# KiCad board Greenwood18N2.kicad_pcb
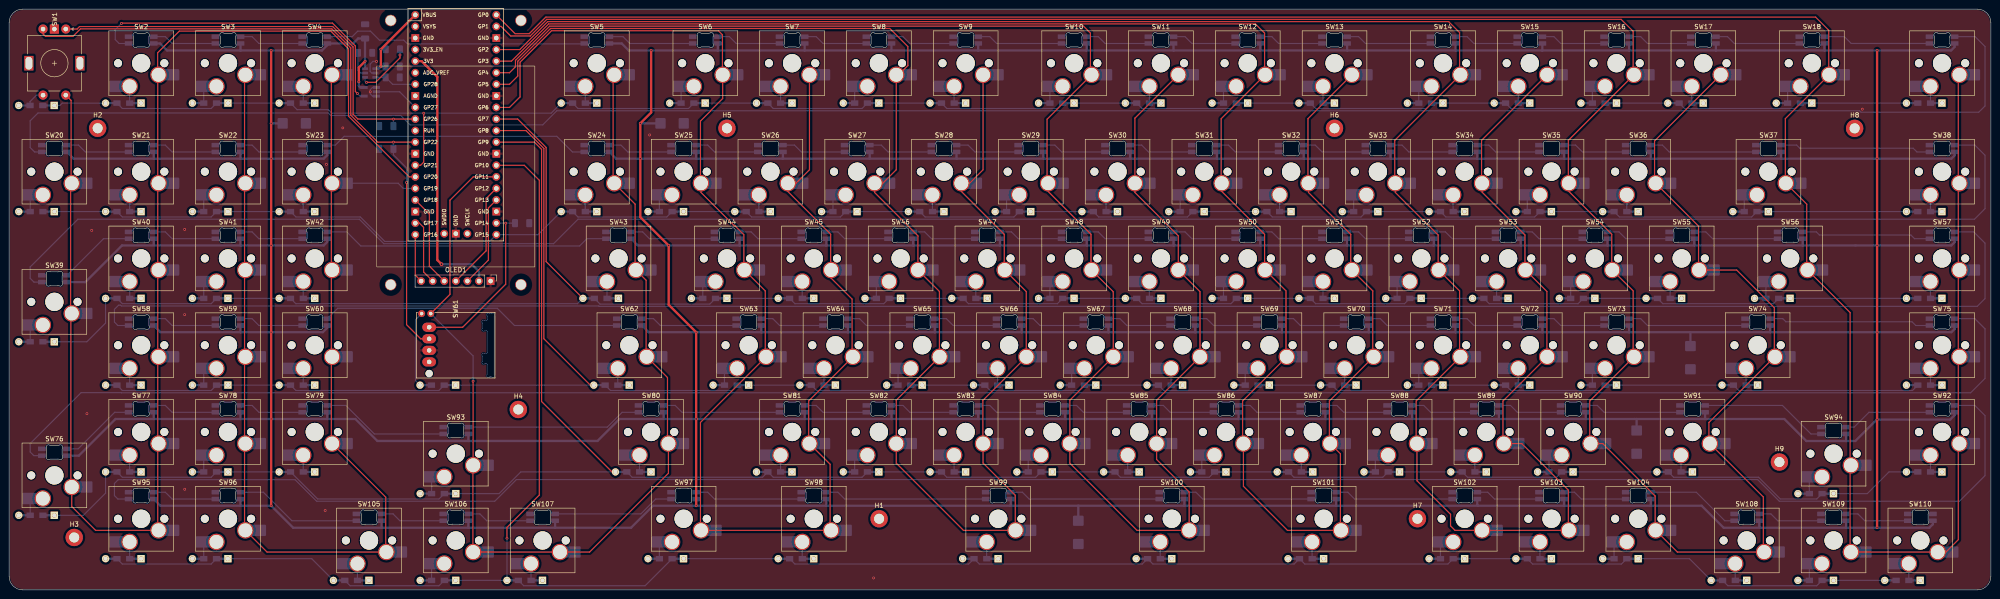
[diagram p0: board, top side]
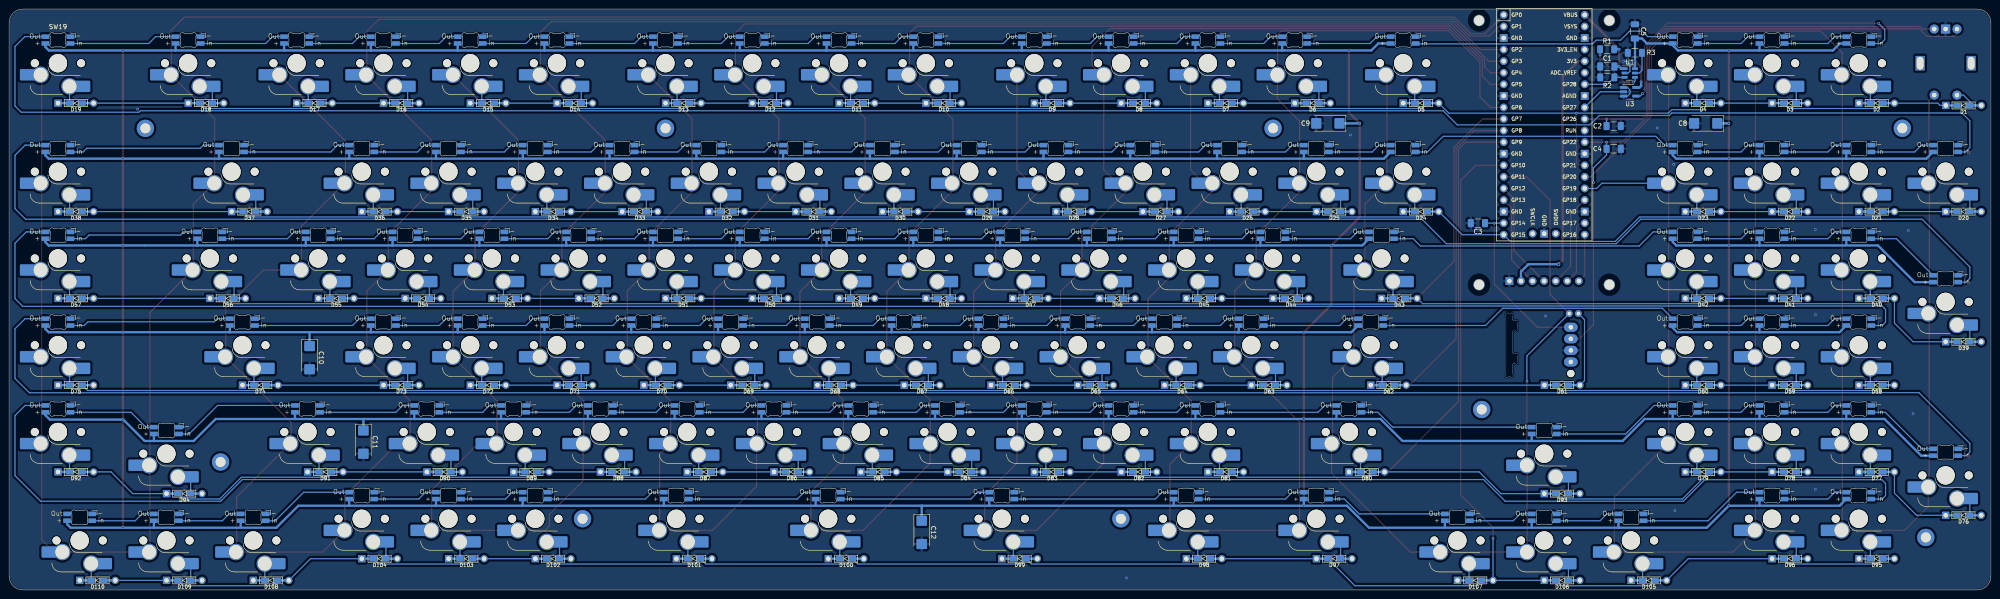
[diagram p1: board, bottom side, seen from below]

Outline 435 x 127.5 mm; copper layers: Top, Bottom. Coordinates in mm from the lower left corner of the outline.
Outline path: 0,124.5 arc(0.88,126.62) 3,127.5 432,127.5 arc(434.12,126.62) 435,124.5 435,3 arc(434.12,0.88) 432,0 3,0 arc(0.88,0.88) 0,3 0,124.5
Stack: Top 0.035mm / dielectric 1.51mm FR4 er 4.5 / Bottom 0.035mm

## Placement (name value [footprint] x y rotation side)
C1  100nF  [C_1206_3216Metric_Pad1.33x1.80mm_HandSolder]  84.2 114.9 180 bottom
C2  100nF  [C_1206_3216Metric_Pad1.33x1.80mm_HandSolder]  82.8 101.83 180 bottom
C3  100nF  [C_1206_3216Metric_Pad1.33x1.80mm_HandSolder]  112.6 80.51 0 bottom
C4  100nF  [C_1206_3216Metric_Pad1.33x1.80mm_HandSolder]  82.8 96.82 180 bottom
C5  100nF  [C_1206_3216Metric_Pad1.33x1.80mm_HandSolder]  78.14 122.61 270 bottom
C8  100uF  [CP_EIA-6032-15_Kemet-U_Pad2.25x2.35mm_HandSolder]  62.6 102.42 0 bottom
C9  100uF  [CP_EIA-6032-15_Kemet-U_Pad2.25x2.35mm_HandSolder]  145.53 102.42 0 bottom
C10  100uF  [CP_EIA-6032-15_Kemet-U_Pad2.25x2.35mm_HandSolder]  369.05 50.98 270 bottom
C11  100uF  [CP_EIA-6032-15_Kemet-U_Pad2.25x2.35mm_HandSolder]  357.24 32.44 270 bottom
C12  100uF  [CP_EIA-6032-15_Kemet-U_Pad2.25x2.35mm_HandSolder]  234.68 12.63 270 bottom
D1  Diode  [Diode-Hybrid-Back]  6 106.35 0 top
D2  Diode  [Diode-Hybrid-Back]  25.07 106.86 0 top
D3  Diode  [Diode-Hybrid-Back]  44.12 106.86 0 top
D4  Diode  [Diode-Hybrid-Back]  63.17 106.86 0 top
D5  Diode  [Diode-Hybrid-Back]  125.09 106.86 0 top
D6  Diode  [Diode-Hybrid-Back]  148.9 106.86 0 top
D7  Diode  [Diode-Hybrid-Back]  167.95 106.86 0 top
D8  Diode  [Diode-Hybrid-Back]  187 106.86 0 top
D9  Diode  [Diode-Hybrid-Back]  206.05 106.86 0 top
D10  Diode  [Diode-Hybrid-Back]  229.86 106.86 0 top
D11  Diode  [Diode-Hybrid-Back]  248.91 106.86 0 top
D12  Diode  [Diode-Hybrid-Back]  267.96 106.86 0 top
D13  Diode  [Diode-Hybrid-Back]  287.01 106.86 0 top
D14  Diode  [Diode-Hybrid-Back]  310.82 106.86 0 top
D15  Diode  [Diode-Hybrid-Back]  329.87 106.86 0 top
D16  Diode  [Diode-Hybrid-Back]  348.92 106.86 0 top
D17  Diode  [Diode-Hybrid-Back]  367.97 106.86 0 top
D18  Diode  [Diode-Hybrid-Back]  391.79 106.86 0 top
D19  Diode  [Diode-Hybrid-Back]  420.36 106.86 0 top
D20  Diode  [Diode-Hybrid-Back]  6.02 83.05 0 top
D21  Diode  [Diode-Hybrid-Back]  25.07 83.05 0 top
D22  Diode  [Diode-Hybrid-Back]  44.12 83.05 0 top
D23  Diode  [Diode-Hybrid-Back]  63.17 83.05 0 top
D24  Diode  [Diode-Hybrid-Back]  125.09 83.05 0 top
D25  Diode  [Diode-Hybrid-Back]  144.13 83.05 0 top
D26  Diode  [Diode-Hybrid-Back]  163.19 83.05 0 top
D27  Diode  [Diode-Hybrid-Back]  182.24 83.05 0 top
D28  Diode  [Diode-Hybrid-Back]  201.29 83.05 0 top
D29  Diode  [Diode-Hybrid-Back]  220.33 83.05 0 top
D30  Diode  [Diode-Hybrid-Back]  239.38 83.05 0 top
D31  Diode  [Diode-Hybrid-Back]  258.44 83.05 0 top
D32  Diode  [Diode-Hybrid-Back]  277.49 83.05 0 top
D33  Diode  [Diode-Hybrid-Back]  296.54 83.05 0 top
D34  Diode  [Diode-Hybrid-Back]  315.58 83.05 0 top
D35  Diode  [Diode-Hybrid-Back]  334.63 83.05 0 top
D36  Diode  [Diode-Hybrid-Back]  353.69 83.05 0 top
D37  Diode  [Diode-Hybrid-Back]  382.26 83.05 0 top
D38  Diode  [Diode-Hybrid-Back]  420.36 83.05 0 top
D39  Diode  [Diode-Hybrid-Back]  6.02 54.47 0 top
D40  Diode  [Diode-Hybrid-Back]  25.07 64 0 top
D41  Diode  [Diode-Hybrid-Back]  44.12 64 0 top
D42  Diode  [Diode-Hybrid-Back]  63.17 64 0 top
D43  Diode  [Diode-Hybrid-Back]  129.85 64 0 top
D44  Diode  [Diode-Hybrid-Back]  153.66 64 0 top
D45  Diode  [Diode-Hybrid-Back]  172.71 64 0 top
D46  Diode  [Diode-Hybrid-Back]  191.76 64 0 top
D47  Diode  [Diode-Hybrid-Back]  210.81 64 0 top
D48  Diode  [Diode-Hybrid-Back]  229.86 64 0 top
D49  Diode  [Diode-Hybrid-Back]  248.91 64 0 top
D50  Diode  [Diode-Hybrid-Back]  267.96 64 0 top
D51  Diode  [Diode-Hybrid-Back]  287.01 64 0 top
D52  Diode  [Diode-Hybrid-Back]  306.06 64 0 top
D53  Diode  [Diode-Hybrid-Back]  325.11 64 0 top
D54  Diode  [Diode-Hybrid-Back]  344.16 64 0 top
D55  Diode  [Diode-Hybrid-Back]  363.21 64 0 top
D56  Diode  [Diode-Hybrid-Back]  387.02 64 0 top
D57  Diode  [Diode-Hybrid-Back]  420.36 64 0 top
D58  Diode  [Diode-Hybrid-Back]  25.07 44.95 0 top
D59  Diode  [Diode-Hybrid-Back]  44.12 44.95 0 top
D60  Diode  [Diode-Hybrid-Back]  63.17 44.95 0 top
D61  Diode  [Diode-Hybrid-Back]  94.1 44.95 0 top
D62  Diode  [Diode-Hybrid-Back]  132.23 44.95 0 top
D63  Diode  [Diode-Hybrid-Back]  158.42 44.95 0 top
D64  Diode  [Diode-Hybrid-Back]  177.47 44.95 0 top
D65  Diode  [Diode-Hybrid-Back]  196.52 44.95 0 top
D66  Diode  [Diode-Hybrid-Back]  215.57 44.95 0 top
D67  Diode  [Diode-Hybrid-Back]  234.62 44.95 0 top
D68  Diode  [Diode-Hybrid-Back]  253.67 44.95 0 top
D69  Diode  [Diode-Hybrid-Back]  272.72 44.95 0 top
D70  Diode  [Diode-Hybrid-Back]  291.77 44.95 0 top
D71  Diode  [Diode-Hybrid-Back]  310.82 44.95 0 top
D72  Diode  [Diode-Hybrid-Back]  329.87 44.95 0 top
D73  Diode  [Diode-Hybrid-Back]  348.92 44.95 0 top
D74  Diode  [Diode-Hybrid-Back]  379.88 44.95 0 top
D75  Diode  [Diode-Hybrid-Back]  420.36 44.95 0 top
D76  Diode  [Diode-Hybrid-Back]  6.02 16.37 0 top
D77  Diode  [Diode-Hybrid-Back]  25.07 25.9 0 top
D78  Diode  [Diode-Hybrid-Back]  44.12 25.9 0 top
D79  Diode  [Diode-Hybrid-Back]  63.17 25.9 0 top
D80  Diode  [Diode-Hybrid-Back]  136.99 25.9 0 top
D81  Diode  [Diode-Hybrid-Back]  167.95 25.9 0 top
D82  Diode  [Diode-Hybrid-Back]  187 25.9 0 top
D83  Diode  [Diode-Hybrid-Back]  206.05 25.9 0 top
D84  Diode  [Diode-Hybrid-Back]  225.1 25.9 0 top
D85  Diode  [Diode-Hybrid-Back]  244.15 25.9 0 top
D86  Diode  [Diode-Hybrid-Back]  263.2 25.9 0 top
D87  Diode  [Diode-Hybrid-Back]  282.25 25.9 0 top
D88  Diode  [Diode-Hybrid-Back]  301.3 25.9 0 top
D89  Diode  [Diode-Hybrid-Back]  320.35 25.9 0 top
D90  Diode  [Diode-Hybrid-Back]  339.4 25.9 0 top
D91  Diode  [Diode-Hybrid-Back]  365.59 25.9 0 top
D92  Diode  [Diode-Hybrid-Back]  420.36 25.9 0 top
D93  Diode  [Diode-Hybrid-Back]  94.13 21.14 0 top
D94  Diode  [Diode-Hybrid-Back]  396.55 21.14 0 top
D95  Diode  [Diode-Hybrid-Back]  25.07 6.85 0 top
D96  Diode  [Diode-Hybrid-Back]  44.12 6.85 0 top
D97  Diode  [Diode-Hybrid-Back]  144.13 6.85 0 top
D98  Diode  [Diode-Hybrid-Back]  172.71 6.85 0 top
D99  Diode  [Diode-Hybrid-Back]  213.19 6.85 0 top
D100  Diode  [Diode-Hybrid-Back]  251.29 6.85 0 top
D101  Diode  [Diode-Hybrid-Back]  284.63 6.85 0 top
D102  Diode  [Diode-Hybrid-Back]  315.58 6.85 0 top
D103  Diode  [Diode-Hybrid-Back]  334.63 6.85 0 top
D104  Diode  [Diode-Hybrid-Back]  353.69 6.85 0 top
D105  Diode  [Diode-Hybrid-Back]  75.08 2.09 0 top
D106  Diode  [Diode-Hybrid-Back]  94.13 2.09 0 top
D107  Diode  [Diode-Hybrid-Back]  113.18 2.09 0 top
D108  Diode  [Diode-Hybrid-Back]  377.5 2.09 0 top
D109  Diode  [Diode-Hybrid-Back]  396.55 2.09 0 top
D110  Diode  [Diode-Hybrid-Back]  415.6 2.09 0 top
H1  MountingHole  [MountingHole_2.2mm_M2_DIN965_Pad]  190.97 15.61 0 top
H2  MountingHole  [MountingHole_2.2mm_M2_DIN965_Pad]  19.44 101.34 0 top
H3  MountingHole  [MountingHole_2.2mm_M2_DIN965_Pad]  14.29 11.51 0 top
H4  MountingHole  [MountingHole_2.2mm_M2_DIN965_Pad]  111.77 39.6 0 top
H5  MountingHole  [MountingHole_2.2mm_M2_DIN965_Pad]  157.57 101.34 0 top
H6  MountingHole  [MountingHole_2.2mm_M2_DIN965_Pad]  290.92 101.34 0 top
H7  MountingHole  [MountingHole_2.2mm_M2_DIN965_Pad]  309.13 15.63 0 top
H8  MountingHole  [MountingHole_2.2mm_M2_DIN965_Pad]  405.09 101.32 0 top
H9  MountingHole  [MountingHole_2.2mm_M2_DIN965_Pad]  388.58 28.07 0 top
OLED1  -  [OLED_ST7735_2inch]  98.05 96 0 top
R1  5.1k  [R_1206_3216Metric_Pad1.30x1.75mm_HandSolder]  84.24 118.68 180 bottom
R2  5.1k  [R_1206_3216Metric_Pad1.30x1.75mm_HandSolder]  84.2 112.52 180 bottom
R3  75k  [R_1206_3216Metric_Pad1.30x1.75mm_HandSolder]  78.14 117.9 0 bottom
SW1  RotaryEncoder_Switch  [RotaryEncoder_Alps_EC11E-Switch_Vertical_H20mm_Centred]  9.94 115.62 270 top
SW2  Switch w/LED  [Hotswap_MX_Plated_LED_1u]  28.99 115.62 0 top
SW3  Switch w/LED  [Hotswap_MX_Plated_LED_1u]  48.04 115.62 0 top
SW4  Switch w/LED  [Hotswap_MX_Plated_LED_1u]  67.09 115.62 0 top
SW5  Switch w/LED  [Hotswap_MX_Plated_LED_1u]  129 115.62 0 top
SW6  Switch w/LED  [Hotswap_MX_Plated_LED_1u]  152.82 115.62 0 top
SW7  Switch w/LED  [Hotswap_MX_Plated_LED_1u]  171.87 115.62 0 top
SW8  Switch w/LED  [Hotswap_MX_Plated_LED_1u]  190.92 115.62 0 top
SW9  Switch w/LED  [Hotswap_MX_Plated_LED_1u]  209.97 115.62 0 top
SW10  Switch w/LED  [Hotswap_MX_Plated_LED_1u]  233.78 115.62 0 top
SW11  Switch w/LED  [Hotswap_MX_Plated_LED_1u]  252.83 115.62 0 top
SW12  Switch w/LED  [Hotswap_MX_Plated_LED_1u]  271.88 115.62 0 top
SW13  Switch w/LED  [Hotswap_MX_Plated_LED_1u]  290.93 115.62 0 top
SW14  Switch w/LED  [Hotswap_MX_Plated_LED_1u]  314.74 115.62 0 top
SW15  Switch w/LED  [Hotswap_MX_Plated_LED_1u]  333.79 115.62 0 top
SW16  Switch w/LED  [Hotswap_MX_Plated_LED_1u]  352.84 115.62 0 top
SW17  Switch w/LED  [Hotswap_MX_Plated_LED_1u]  371.89 115.62 0 top
SW18  Switch w/LED  [Hotswap_MX_Plated_LED_1u]  395.7 115.62 0 top
SW19  Switch w/LED  [Hotswap_MX_Plated_LED_1u]  424.28 115.62 0 top
SW20  Switch w/LED  [Hotswap_MX_Plated_LED_1u]  9.94 91.81 0 top
SW21  Switch w/LED  [Hotswap_MX_Plated_LED_1u]  28.99 91.81 0 top
SW22  Switch w/LED  [Hotswap_MX_Plated_LED_1u]  48.04 91.81 0 top
SW23  Switch w/LED  [Hotswap_MX_Plated_LED_1u]  67.09 91.81 0 top
SW24  Switch w/LED  [Hotswap_MX_Plated_LED_1u]  129 91.81 0 top
SW25  Switch w/LED  [Hotswap_MX_Plated_LED_1u]  148.06 91.81 0 top
SW26  Switch w/LED  [Hotswap_MX_Plated_LED_1u]  167.1 91.81 0 top
SW27  Switch w/LED  [Hotswap_MX_Plated_LED_1u]  186.15 91.81 0 top
SW28  Switch w/LED  [Hotswap_MX_Plated_LED_1u]  205.2 91.81 0 top
SW29  Switch w/LED  [Hotswap_MX_Plated_LED_1u]  224.25 91.81 0 top
SW30  Switch w/LED  [Hotswap_MX_Plated_LED_1u]  243.31 91.81 0 top
SW31  Switch w/LED  [Hotswap_MX_Plated_LED_1u]  262.36 91.81 0 top
SW32  Switch w/LED  [Hotswap_MX_Plated_LED_1u]  281.4 91.81 0 top
SW33  Switch w/LED  [Hotswap_MX_Plated_LED_1u]  300.45 91.81 0 top
SW34  Switch w/LED  [Hotswap_MX_Plated_LED_1u]  319.5 91.81 0 top
SW35  Switch w/LED  [Hotswap_MX_Plated_LED_1u]  338.56 91.81 0 top
SW36  Switch w/LED  [Hotswap_MX_Plated_LED_1u]  357.61 91.81 0 top
SW37  Switch w/LED  [Hotswap_MX_Plated_LED_2u]  386.18 91.81 0 top
SW38  Switch w/LED  [Hotswap_MX_Plated_LED_1u]  424.28 91.81 0 top
SW39  Switch w/LED  [Hotswap_MX_Plated_LED_2u_90deg]  9.94 63.24 0 top
SW40  Switch w/LED  [Hotswap_MX_Plated_LED_1u]  28.99 72.76 0 top
SW41  Switch w/LED  [Hotswap_MX_Plated_LED_1u]  48.04 72.76 0 top
SW42  Switch w/LED  [Hotswap_MX_Plated_LED_1u]  67.09 72.76 0 top
SW43  Switch w/LED  [Hotswap_MX_Plated_LED_1.5u]  133.77 72.76 0 top
SW44  Switch w/LED  [Hotswap_MX_Plated_LED_1u]  157.58 72.76 0 top
SW45  Switch w/LED  [Hotswap_MX_Plated_LED_1u]  176.63 72.76 0 top
SW46  Switch w/LED  [Hotswap_MX_Plated_LED_1u]  195.68 72.76 0 top
SW47  Switch w/LED  [Hotswap_MX_Plated_LED_1u]  214.73 72.76 0 top
SW48  Switch w/LED  [Hotswap_MX_Plated_LED_1u]  233.78 72.76 0 top
SW49  Switch w/LED  [Hotswap_MX_Plated_LED_1u]  252.83 72.76 0 top
SW50  Switch w/LED  [Hotswap_MX_Plated_LED_1u]  271.88 72.76 0 top
SW51  Switch w/LED  [Hotswap_MX_Plated_LED_1u]  290.93 72.76 0 top
SW52  Switch w/LED  [Hotswap_MX_Plated_LED_1u]  309.98 72.76 0 top
SW53  Switch w/LED  [Hotswap_MX_Plated_LED_1u]  329.03 72.76 0 top
SW54  Switch w/LED  [Hotswap_MX_Plated_LED_1u]  348.08 72.76 0 top
SW55  Switch w/LED  [Hotswap_MX_Plated_LED_1u]  367.13 72.76 0 top
SW56  Switch w/LED  [Hotswap_MX_Plated_LED_1.5u]  390.94 72.76 0 top
SW57  Switch w/LED  [Hotswap_MX_Plated_LED_1u]  424.28 72.76 0 top
SW58  Switch w/LED  [Hotswap_MX_Plated_LED_1u]  28.99 53.71 0 top
SW59  Switch w/LED  [Hotswap_MX_Plated_LED_1u]  48.04 53.71 0 top
SW60  Switch w/LED  [Hotswap_MX_Plated_LED_1u]  67.09 53.71 0 top
SW61  RotaryEncoder_Switch  [EVQWGD001]  98.05 53.71 90 top
SW62  Switch w/LED  [Hotswap_MX_Plated_LED_1.75u]  136.15 53.71 0 top
SW63  Switch w/LED  [Hotswap_MX_Plated_LED_1u]  162.34 53.71 0 top
SW64  Switch w/LED  [Hotswap_MX_Plated_LED_1u]  181.39 53.71 0 top
SW65  Switch w/LED  [Hotswap_MX_Plated_LED_1u]  200.44 53.71 0 top
SW66  Switch w/LED  [Hotswap_MX_Plated_LED_1u]  219.49 53.71 0 top
SW67  Switch w/LED  [Hotswap_MX_Plated_LED_1u]  238.54 53.71 0 top
SW68  Switch w/LED  [Hotswap_MX_Plated_LED_1u]  257.59 53.71 0 top
SW69  Switch w/LED  [Hotswap_MX_Plated_LED_1u]  276.64 53.71 0 top
SW70  Switch w/LED  [Hotswap_MX_Plated_LED_1u]  295.69 53.71 0 top
SW71  Switch w/LED  [Hotswap_MX_Plated_LED_1u]  314.74 53.71 0 top
SW72  Switch w/LED  [Hotswap_MX_Plated_LED_1u]  333.79 53.71 0 top
SW73  Switch w/LED  [Hotswap_MX_Plated_LED_1u]  352.84 53.71 0 top
SW74  Switch w/LED  [Hotswap_MX_Plated_LED_2.25u]  383.8 53.71 0 top
SW75  Switch w/LED  [Hotswap_MX_Plated_LED_1u]  424.28 53.71 0 top
SW76  Switch w/LED  [Hotswap_MX_Plated_LED_2u_90deg]  9.94 25.14 0 top
SW77  Switch w/LED  [Hotswap_MX_Plated_LED_1u]  28.99 34.66 0 top
SW78  Switch w/LED  [Hotswap_MX_Plated_LED_1u]  48.04 34.66 0 top
SW79  Switch w/LED  [Hotswap_MX_Plated_LED_1u]  67.09 34.66 0 top
SW80  Switch w/LED  [Hotswap_MX_Plated_LED_2.25u]  140.91 34.66 0 top
SW81  Switch w/LED  [Hotswap_MX_Plated_LED_1u]  171.87 34.66 0 top
SW82  Switch w/LED  [Hotswap_MX_Plated_LED_1u]  190.92 34.66 0 top
SW83  Switch w/LED  [Hotswap_MX_Plated_LED_1u]  209.97 34.66 0 top
SW84  Switch w/LED  [Hotswap_MX_Plated_LED_1u]  229.02 34.66 0 top
SW85  Switch w/LED  [Hotswap_MX_Plated_LED_1u]  248.07 34.66 0 top
SW86  Switch w/LED  [Hotswap_MX_Plated_LED_1u]  267.12 34.66 0 top
SW87  Switch w/LED  [Hotswap_MX_Plated_LED_1u]  286.17 34.66 0 top
SW88  Switch w/LED  [Hotswap_MX_Plated_LED_1u]  305.22 34.66 0 top
SW89  Switch w/LED  [Hotswap_MX_Plated_LED_1u]  324.27 34.66 0 top
SW90  Switch w/LED  [Hotswap_MX_Plated_LED_1u]  343.32 34.66 0 top
SW91  Switch w/LED  [Hotswap_MX_Plated_LED_1.75u]  369.51 34.66 0 top
SW92  Switch w/LED  [Hotswap_MX_Plated_LED_1u]  424.28 34.66 0 top
SW93  Switch w/LED  [Hotswap_MX_Plated_LED_1u]  98.05 29.9 0 top
SW94  Switch w/LED  [Hotswap_MX_Plated_LED_1u]  400.47 29.9 0 top
SW95  Switch w/LED  [Hotswap_MX_Plated_LED_1u]  28.99 15.61 0 top
SW96  Switch w/LED  [Hotswap_MX_Plated_LED_1u]  48.04 15.61 0 top
SW97  Switch w/LED  [Hotswap_MX_Plated_LED_1.5u]  148.06 15.61 0 top
SW98  Switch w/LED  [Hotswap_MX_Plated_LED_1.5u]  176.63 15.61 0 top
SW99  Switch w/LED  [Hotswap_MX_Plated_LED_2.75u]  217.11 15.61 0 top
SW100  Switch w/LED  [Hotswap_MX_Plated_LED_1.25u]  255.21 15.61 0 top
SW101  Switch w/LED  [Hotswap_MX_Plated_LED_2.25u]  288.55 15.61 0 top
SW102  Switch w/LED  [Hotswap_MX_Plated_LED_1u]  319.5 15.61 0 top
SW103  Switch w/LED  [Hotswap_MX_Plated_LED_1u]  338.56 15.61 0 top
SW104  Switch w/LED  [Hotswap_MX_Plated_LED_1u]  357.61 15.61 0 top
SW105  Switch w/LED  [Hotswap_MX_Plated_LED_1u]  79 10.85 0 top
SW106  Switch w/LED  [Hotswap_MX_Plated_LED_1u]  98.05 10.85 0 top
SW107  Switch w/LED  [Hotswap_MX_Plated_LED_1u]  117.1 10.85 0 top
SW108  Switch w/LED  [Hotswap_MX_Plated_LED_1u]  381.42 10.85 0 top
SW109  Switch w/LED  [Hotswap_MX_Plated_LED_1u]  400.47 10.85 0 top
SW110  Switch w/LED  [Hotswap_MX_Plated_LED_1u]  419.52 10.85 0 top
U1  TPS2553DBVR  [SOT-23-6]  79.26 113.47 180 bottom
U2  Raspberry_Pi_Pico  [Raspberry_Pi_Pico_Flipped]  98.05 102.1 0 top
U3  74AHC1G125  [SOT-23-5_HandSoldering]  79.27 109.35 180 bottom

## Library data of the parts
C1-C5 = -: Description: Unpolarized capacitor
C8-C12 = -: Description: Polarized capacitor
D1-D110 = -: Description: 1N4148 (DO-35) or 1N4148W (SOD-123); Sim.Device: D; Sim.Pins: 1=K 2=A
H1-H9 = -: Description: Mounting Hole without connection
R1-R3 = -: Description: Resistor
SW1 SW61 = -: Description: Rotary encoder, dual channel, incremental quadrate outputs, with switch
SW2-SW60 SW62-SW110 = -: Description: Push button switch, normally open, two pins, 45° tilted
U3 = -: Description: Single Buffer Gate Tri-State, Low-Voltage CMOS

## Footprints (pads in the part's own frame, mm; a bottom-side part is the same pattern mirrored in y, then rotated)
C_1206_3216Metric_Pad1.33x1.80mm_HandSolder
  rrect 1.325x1.8 smd: 1(-1.562,0) 2(1.562,0)
CP_EIA-6032-15_Kemet-U_Pad2.25x2.35mm_HandSolder
  rrect 2.25x2.35 smd: 1(-2.55,0) 2(2.55,0)
Diode-Hybrid-Back
  rect 1.6x1.2 smd far side: 1(1.4,0) 2(-1.4,0)
  rect 2.9x0.5 smd far side: 1(2.5,0) 2(-2.5,0)
  rect 1.6x1.6 hole 1: 1(3.9,0)
  round 1.6 hole 1: 2(-3.9,0)
EVQWGD001
  round 1.6 hole 1.6 unplated: (-6.21,5.85)
  oval 2x3 hole 1: A(3.95,5.85) B(1.41,5.85) C(-1.13,5.85) NC(-3.67,5.85)
  round 1.524 hole 0.762: S1(6.95,7.5)
  oval 1.524x1.524 hole 0.762: S2(6.95,5.5)
Hotswap_MX_Plated_LED_1.5u
  rrect 2.55x2.5 smd: (-5.842,-5.08) (7.085,-2.54)
  round 1.75 hole 1.75 unplated: (-5.08,0) (5.08,0)
  round 4 hole 4 unplated: (0,0)
  round 3.6 hole 3.05: 1(3.81,-2.54) 2(-2.54,-5.08)
  rrect 3.55x2.5 smd far side: 1(6.585,-2.54) 2(-5.32,-5.08)
  rrect 1.7x1 smd far side: 3(2.75,4.33) 4(2.75,5.83) 5(-2.75,4.33) 6(-2.75,5.83)
Hotswap_MX_Plated_LED_1.25u
  rrect 2.55x2.5 smd: (-5.842,-5.08) (7.085,-2.54)
  round 1.75 hole 1.75 unplated: (-5.08,0) (5.08,0)
  round 4 hole 4 unplated: (0,0)
  round 3.6 hole 3.05: 1(3.81,-2.54) 2(-2.54,-5.08)
  rrect 3.55x2.5 smd far side: 1(6.585,-2.54) 2(-5.32,-5.08)
  rrect 1.7x1 smd far side: 3(2.75,4.33) 4(2.75,5.83) 5(-2.75,4.33) 6(-2.75,5.83)
Hotswap_MX_Plated_LED_1.75u
  rrect 2.55x2.5 smd: (-5.842,-5.08) (7.085,-2.54)
  round 1.75 hole 1.75 unplated: (-5.08,0) (5.08,0)
  round 4 hole 4 unplated: (0,0)
  round 3.6 hole 3.05: 1(3.81,-2.54) 2(-2.54,-5.08)
  rrect 3.55x2.5 smd far side: 1(6.585,-2.54) 2(-5.32,-5.08)
  rrect 1.7x1 smd far side: 3(2.75,4.33) 4(2.75,5.83) 5(-2.75,4.33) 6(-2.75,5.83)
Hotswap_MX_Plated_LED_1u
  rrect 2.55x2.5 smd: (-5.842,-5.08) (7.085,-2.54)
  round 1.75 hole 1.75 unplated: (-5.08,0) (5.08,0)
  round 4 hole 4 unplated: (0,0)
  round 3.6 hole 3.05: 1(3.81,-2.54) 2(-2.54,-5.08)
  rrect 3.55x2.5 smd far side: 1(6.585,-2.54) 2(-5.32,-5.08)
  rrect 1.7x1 smd far side: 3(2.75,4.33) 4(2.75,5.83) 5(-2.75,4.33) 6(-2.75,5.83)
Hotswap_MX_Plated_LED_2.25u
  rrect 2.55x2.5 smd: (-5.842,-5.08) (7.085,-2.54)
  round 1.75 hole 1.75 unplated: (-5.08,0) (5.08,0)
  round 4 hole 4 unplated: (0,0)
  round 3.6 hole 3.05: 1(3.81,-2.54) 2(-2.54,-5.08)
  rrect 3.55x2.5 smd far side: 1(6.585,-2.54) 2(-5.32,-5.08)
  rrect 1.7x1 smd far side: 3(2.75,4.33) 4(2.75,5.83) 5(-2.75,4.33) 6(-2.75,5.83)
Hotswap_MX_Plated_LED_2.75u
  rrect 2.55x2.5 smd: (-5.842,-5.08) (7.085,-2.54)
  round 1.75 hole 1.75 unplated: (-5.08,0) (5.08,0)
  round 4 hole 4 unplated: (0,0)
  round 3.6 hole 3.05: 1(3.81,-2.54) 2(-2.54,-5.08)
  rrect 3.55x2.5 smd far side: 1(6.585,-2.54) 2(-5.32,-5.08)
  rrect 1.7x1 smd far side: 3(2.75,4.33) 4(2.75,5.83) 5(-2.75,4.33) 6(-2.75,5.83)
Hotswap_MX_Plated_LED_2u
  rrect 2.55x2.5 smd: (-5.842,-5.08) (7.085,-2.54)
  round 1.75 hole 1.75 unplated: (-5.08,0) (5.08,0)
  round 4 hole 4 unplated: (0,0)
  round 3.6 hole 3.05: 1(3.81,-2.54) 2(-2.54,-5.08)
  rrect 3.55x2.5 smd far side: 1(6.585,-2.54) 2(-5.32,-5.08)
  rrect 1.7x1 smd far side: 3(2.75,4.33) 4(2.75,5.83) 5(-2.75,4.33) 6(-2.75,5.83)
Hotswap_MX_Plated_LED_2u_90deg
  rrect 2.55x2.5 smd: (-5.842,-5.08) (7.085,-2.54)
  round 1.75 hole 1.75 unplated: (-5.08,0) (5.08,0)
  round 4 hole 4 unplated: (0,0)
  round 3.6 hole 3.05: 1(3.81,-2.54) 2(-2.54,-5.08)
  rrect 3.55x2.5 smd far side: 1(6.585,-2.54) 2(-5.32,-5.08)
  rrect 1.7x1 smd far side: 3(2.75,4.33) 4(2.75,5.83) 5(-2.75,4.33) 6(-2.75,5.83)
MountingHole_2.2mm_M2_DIN965_Pad
  round 3.8 hole 2.2: 1(0,0)
OLED_ST7735_2inch
  round 2.5 hole 2.2 unplated: (-14.3,29) (-14.3,-29) (14.3,29) (14.3,-29)
  rect 1.7x1.7 hole 1: 1(7.63,-28.2)
  oval 1.7x1.7 hole 1: 2(5.09,-28.2) 3(2.55,-28.2) 4(0.01,-28.2) 5(-2.53,-28.2) 6(-5.07,-28.2) 7(-7.61,-28.2)
R_1206_3216Metric_Pad1.30x1.75mm_HandSolder
  rrect 1.3x1.75 smd: 1(-1.55,0) 2(1.55,0)
Raspberry_Pi_Pico_Flipped
  oval 1.7x1.7 hole 1.02: 1(8.89,24.13) 2(8.89,21.59) 4(8.89,16.51) 5(8.89,13.97) 6(8.89,11.43) 7(8.89,8.89) 9(8.89,3.81) 10(8.89,1.27) 11(8.89,-1.27) 12(8.89,-3.81) 14(8.89,-8.89) 15(8.89,-11.43) 16(8.89,-13.97) 17(8.89,-16.51) 19(8.89,-21.59) 20(8.89,-24.13) 21(-8.89,-24.13) 22(-8.89,-21.59) 24(-8.89,-16.51) 25(-8.89,-13.97) 26(-8.89,-11.43) 27(-8.89,-8.89) 29(-8.89,-3.81) 30(-8.89,-1.27) 31(-8.89,1.27) 32(-8.89,3.81) 34(-8.89,8.89) 35(-8.89,11.43) 36(-8.89,13.97) 37(-8.89,16.51) 39(-8.89,21.59) 40(-8.89,24.13) 41(2.54,-23.9) 43(-2.54,-23.9)
  rect 1.7x1.7 hole 1.02: 3(8.89,19.05) 8(8.89,6.35) 13(8.89,-6.35) 18(8.89,-19.05) 23(-8.89,-19.05) 28(-8.89,-6.35) 33(-8.89,6.35) 38(-8.89,19.05) 42(0,-23.9)
RotaryEncoder_Alps_EC11E-Switch_Vertical_H20mm_Centred
  round 2 hole 1: A(-7.5,2.5) B(-7.5,-2.5) S1(7,-2.5) S2(7,2.5)
  rect 2x2 hole 1: C(-7.5,0)
  rect 3.2x2 hole 2.8x1.5: MP(0,5.6) MP(0,-5.6)
SOT-23-5_HandSoldering
  rect 1.56x0.65 smd: 1(-1.35,0.95) 2(-1.35,0) 3(-1.35,-0.95) 4(1.35,-0.95) 5(1.35,0.95)
SOT-23-6
  rrect 1.325x0.6 smd: 1(-1.137,0.95) 2(-1.137,0) 3(-1.137,-0.95) 4(1.137,-0.95) 5(1.137,0) 6(1.137,0.95)
